# KiCad board V1.1_version_control_final.kicad_pcb (continued)
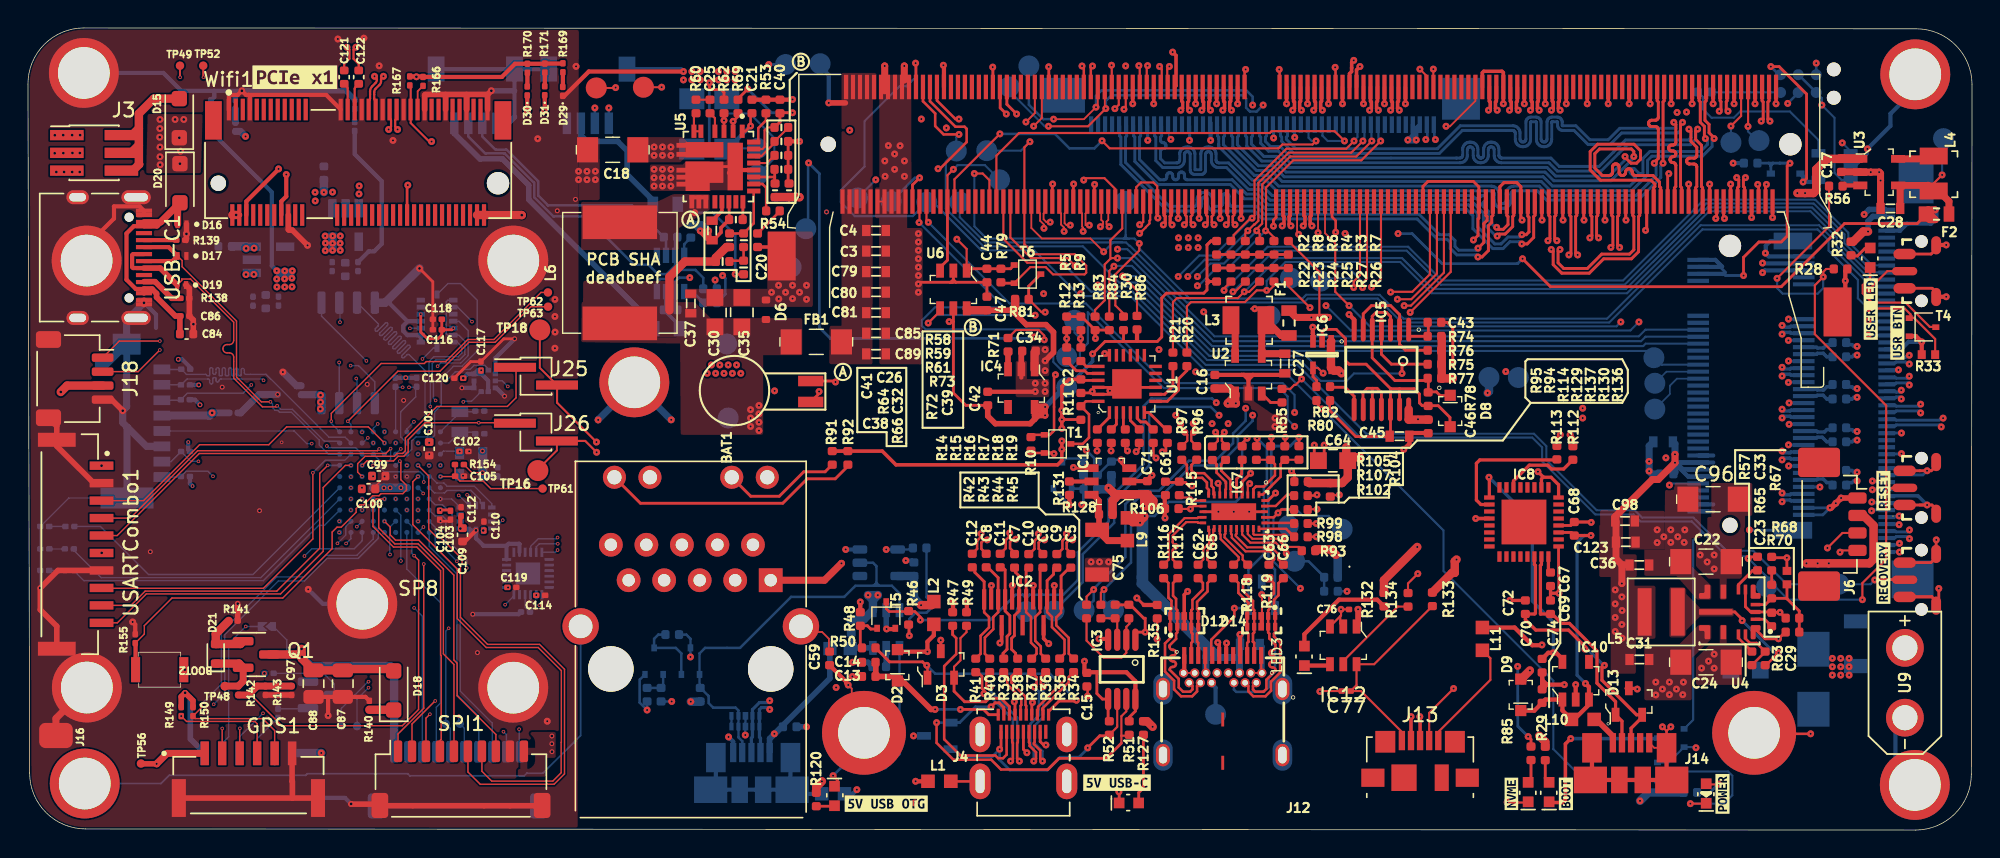
[diagram p0: board, top side]
## Routing (per net, layer and track width the routed paths; a pad name or vN(x,y) marks a point on that pad's centre or on a via; arc(x,y) is an arc through that point) (continued)
  Bottom w0.21: 132.77,29.92 133.5,29.92 133.59,30 135.19,30 v1(135.34,29.86)
/CSI/CSI_B_D0_P: length 43.4
  Top w0.21: v1(123.93,50.74) 124.08,50.88 124.08,52.11 124,52.2 M1.5
  In3_SIGNAL.Cu w0.138: v1(123.93,50.74) 124.12,50.92 124.12,51.31 124.32,51.51 126.48,51.51 127.82,50.17 127.82,45.13 128.12,44.82 132.72,44.82 134.33,43.21 134.33,41.38 134.34,41.34 134.35,41.31 134.37,41.27 134.39,41.25 134.43,41.23 134.46,41.21 134.5,41.21 135.41,41.21 135.5,41.2 135.58,41.17 135.66,41.12 135.72,41.06 135.77,40.98 135.8,40.89 135.81,40.8 135.81,40.75 135.8,40.66 135.77,40.58 135.72,40.5 135.66,40.44 135.58,40.39 135.5,40.36 135.41,40.35 134.5,40.35 134.46,40.34 134.43,40.33 134.39,40.31 134.37,40.28 134.35,40.25 134.34,40.22 134.33,40.18 134.34,40.14 134.35,40.11 134.37,40.07 134.39,40.05 134.43,40.03 134.46,40.01 134.5,40.01 135.41,40.01 135.5,40 135.58,39.97 135.66,39.92 135.72,39.86 135.77,39.78 135.8,39.69 135.81,39.6 135.81,39.55 135.8,39.46 135.77,39.38 135.72,39.3 135.66,39.24 135.58,39.19 135.5,39.16 135.41,39.15 134.5,39.15 134.46,39.14 134.43,39.13 134.39,39.11 134.37,39.08 134.35,39.05 134.34,39.02 134.33,38.98 134.33,36.95 134.34,36.91 134.35,36.88 134.37,36.85 134.39,36.82 134.43,36.8 134.46,36.79 134.5,36.78 135.1,36.78 135.19,36.77 135.28,36.74 135.36,36.69 135.42,36.63 135.47,36.55 135.5,36.47 135.51,36.38 135.51,36.33 135.5,36.24 135.47,36.15 135.42,36.07 135.36,36.01 135.28,35.96 135.19,35.93 135.1,35.92 134.5,35.92 134.46,35.92 134.43,35.9 134.39,35.88 134.37,35.86 134.35,35.82 134.34,35.79 134.33,35.75 134.33,35.08 134.72,34.69 134.81,34.69 135.4,34.1 135.4,31.53 134.82,30.95 134.82,30.51 135.03,30.3 135.15,30.3 v1(135.34,30.48)
  Bottom w0.21: 132.77,30.42 133.5,30.42 133.59,30.34 135.19,30.34 v1(135.34,30.48)
/CSI/CSI_B_D1_N: length 43.3
  Top w0.21: v1(121.56,51.45) 121.44,51.58 121.44,52.14 121.5,52.2 M1.15
  In3_SIGNAL.Cu w0.138: v1(121.56,51.45) 121.38,51.63 121.38,52.52 121.63,52.77 126.13,52.77 128.78,50.12 128.78,45.71 129.25,45.24 133.45,45.24 136.2,42.49 136.2,31.76 136.2,31.73 136.19,31.7 136.17,31.67 136.15,31.65 136.12,31.63 136.09,31.62 136.05,31.61 135.95,31.61 135.92,31.61 135.89,31.6 135.86,31.58 135.84,31.56 135.82,31.53 135.81,31.5 135.8,31.46 135.81,31.43 135.82,31.4 135.84,31.37 135.86,31.35 135.89,31.33 135.92,31.32 135.95,31.31 136.05,31.31 136.09,31.31 136.12,31.3 136.15,31.28 136.17,31.26 136.19,31.23 136.2,31.2 136.2,31.16 136.2,29.46 v1(136.81,28.86)
  Bottom w0.21: 132.77,28.92 133.5,28.92 133.59,29 136.66,29 v1(136.81,28.86)
/CSI/CSI_B_D1_P: length 43.3
  Top w0.21: v1(120.93,51.45) 121.06,51.58 121.06,52.14 121,52.2 M1.17
  In3_SIGNAL.Cu w0.138: v1(136.94,29.48) 136.55,29.48 136.47,29.57 136.47,42.6 133.56,45.5 129.36,45.5 129.04,45.82 129.04,50.23 126.23,53.04 121.52,53.04 121.12,52.63 121.12,51.63 v1(120.93,51.45)
  Bottom w0.21: 132.77,29.42 133.5,29.42 133.59,29.34 136.66,29.34 136.88,29.55 v1(136.94,29.48)
/CSI/CSI_C_CLK_N: length 55.7
  Top w0.21: v1(112.31,42.38) 112.16,42.53 112.16,43.91 112.25,43.99 M1.52
  In5_3V3_SYS_SIGNAL.Cu w0.128: v1(112.31,42.38) 112.12,42.57 112.12,42.77 112.19,42.84 114.39,42.84 115.44,41.79 115.44,38.05 118.41,35.08 118.41,34.36 118.41,34.33 118.4,34.3 118.38,34.28 118.36,34.26 118.34,34.24 118.31,34.23 118.28,34.23 118.02,34.23 117.94,34.22 117.87,34.19 117.8,34.15 117.74,34.09 117.7,34.03 117.67,33.95 117.67,33.87 117.67,33.83 117.67,33.75 117.7,33.67 117.74,33.6 117.8,33.54 117.87,33.5 117.94,33.48 118.02,33.47 119.03,33.47 119.06,33.46 119.08,33.45 119.11,33.44 119.13,33.42 119.14,33.39 119.15,33.37 119.16,33.34 119.15,33.31 119.14,33.28 119.13,33.26 119.11,33.24 119.08,33.22 119.06,33.21 119.03,33.21 118.02,33.21 117.94,33.2 117.87,33.17 117.8,33.13 117.74,33.08 117.7,33.01 117.67,32.93 117.67,32.85 117.67,32.81 117.67,32.73 117.7,32.65 117.74,32.58 117.8,32.53 117.87,32.48 117.94,32.46 118.02,32.45 119.03,32.45 119.06,32.45 119.08,32.44 119.11,32.42 119.13,32.4 119.14,32.38 119.15,32.35 119.16,32.32 119.15,32.29 119.14,32.26 119.13,32.24 119.11,32.22 119.08,32.2 119.06,32.2 119.03,32.19 118.02,32.19 117.94,32.18 117.87,32.16 117.8,32.11 117.74,32.06 117.7,31.99 117.67,31.91 117.67,31.83 117.67,31.79 117.67,31.71 117.7,31.63 117.74,31.57 117.8,31.51 117.87,31.47 117.94,31.44 118.02,31.43 119.03,31.43 119.06,31.43 119.08,31.42 119.11,31.4 119.13,31.38 119.14,31.36 119.15,31.33 119.16,31.3 119.15,31.27 119.14,31.25 119.13,31.22 119.11,31.2 119.08,31.19 119.06,31.18 119.03,31.17 118.02,31.17 117.94,31.17 117.87,31.14 117.8,31.1 117.74,31.04 117.7,30.97 117.67,30.9 117.67,30.82 117.67,30.77 117.67,30.69 117.7,30.62 117.74,30.55 117.8,30.49 117.87,30.45 117.94,30.42 118.02,30.41 119.03,30.41 119.06,30.41 119.08,30.4 119.11,30.38 119.13,30.36 119.14,30.34 119.15,30.31 119.16,30.28 119.15,30.26 119.14,30.23 119.13,30.2 119.11,30.18 119.08,30.17 119.06,30.16 119.03,30.16 118.02,30.16 117.94,30.15 117.87,30.12 117.8,30.08 117.74,30.02 117.7,29.95 117.67,29.88 117.67,29.8 117.67,29.75 117.67,29.67 117.7,29.6 117.74,29.53 117.8,29.47 117.87,29.43 117.94,29.4 118.02,29.39 119.03,29.39 119.06,29.39 119.08,29.38 119.11,29.37 119.13,29.35 119.14,29.32 119.15,29.29 119.16,29.27 119.15,29.24 119.14,29.21 119.13,29.19 119.11,29.17 119.08,29.15 119.06,29.14 119.03,29.14 118.02,29.14 117.94,29.13 117.87,29.1 117.8,29.06 117.74,29 117.7,28.94 117.67,28.86 117.67,28.78 117.67,28.74 117.67,28.66 117.7,28.58 117.74,28.51 117.8,28.45 117.87,28.41 117.94,28.39 118.02,28.38 119.03,28.38 119.06,28.37 119.08,28.36 119.11,28.35 119.13,28.33 119.14,28.3 119.15,28.28 119.16,28.25 119.15,28.22 119.14,28.19 119.13,28.17 119.11,28.15 119.08,28.13 119.06,28.12 119.03,28.12 118.77,28.12 118.69,28.11 118.61,28.08 118.55,28.04 118.49,27.99 118.45,27.92 118.42,27.84 118.41,27.76 118.41,26.66 119.59,25.48 122.29,25.48 125.02,22.75 127.84,22.75 129.38,24.3 130.1,24.3 130.13,24.29 130.16,24.28 130.19,24.26 130.21,24.24 130.23,24.21 130.24,24.18 130.25,24.15 130.25,24.11 130.25,24.07 130.26,24.04 130.28,24.01 130.3,23.99 130.33,23.97 130.36,23.96 130.4,23.96 130.43,23.96 130.46,23.97 130.49,23.99 130.51,24.01 130.53,24.04 130.54,24.07 130.55,24.11 130.55,24.15 130.55,24.18 130.56,24.21 130.58,24.24 130.6,24.26 130.63,24.28 130.66,24.29 130.7,24.3 131.26,24.3 131.51,24.54 131.7,24.54 v1(131.88,24.36)
  Bottom w0.21: v1(131.88,24.36) 131.95,24.42 132.77,24.42
/CSI/CSI_C_CLK_P: length 55.7
  Top w0.21: v1(111.68,42.38) 111.83,42.53 111.83,43.91 111.75,43.99 111.75,44.98
  In5_3V3_SYS_SIGNAL.Cu w0.128: v1(131.88,24.98) 131.7,24.8 131.41,24.8 131.16,24.55 129.28,24.55 127.73,23.01 125.12,23.01 122.4,25.73 119.7,25.73 118.66,26.76 118.66,27.74 118.67,27.77 118.68,27.79 118.69,27.82 118.71,27.84 118.74,27.85 118.76,27.86 118.79,27.87 119.05,27.87 119.13,27.88 119.21,27.9 119.27,27.95 119.33,28 119.37,28.07 119.4,28.15 119.41,28.23 119.41,28.27 119.4,28.35 119.37,28.43 119.33,28.49 119.27,28.55 119.21,28.59 119.13,28.62 119.05,28.63 118.05,28.63 118.02,28.63 117.99,28.64 117.97,28.66 117.95,28.68 117.93,28.7 117.92,28.73 117.92,28.76 117.92,28.79 117.93,28.81 117.95,28.84 117.97,28.86 117.99,28.87 118.02,28.88 118.05,28.89 119.05,28.89 119.13,28.89 119.21,28.92 119.27,28.96 119.33,29.02 119.37,29.09 119.4,29.16 119.41,29.24 119.41,29.29 119.4,29.37 119.37,29.44 119.33,29.51 119.27,29.57 119.21,29.61 119.13,29.64 119.05,29.65 118.05,29.65 118.02,29.65 117.99,29.66 117.97,29.68 117.95,29.7 117.93,29.72 117.92,29.75 117.92,29.78 117.92,29.8 117.93,29.83 117.95,29.86 117.97,29.88 117.99,29.89 118.02,29.9 118.05,29.9 119.05,29.9 119.13,29.91 119.21,29.94 119.27,29.98 119.33,30.04 119.37,30.11 119.4,30.18 119.41,30.26 119.41,30.31 119.4,30.39 119.37,30.46 119.33,30.53 119.27,30.59 119.21,30.63 119.13,30.66 119.05,30.67 118.05,30.67 118.02,30.67 117.99,30.68 117.97,30.69 117.95,30.71 117.93,30.74 117.92,30.76 117.92,30.79 117.92,30.82 117.93,30.85 117.95,30.87 117.97,30.89 117.99,30.91 118.02,30.92 118.05,30.92 119.05,30.92 119.13,30.93 119.21,30.96 119.27,31 119.33,31.06 119.37,31.12 119.4,31.2 119.41,31.28 119.41,31.32 119.4,31.4 119.37,31.48 119.33,31.55 119.27,31.6 119.21,31.65 119.13,31.67 119.05,31.68 118.05,31.68 118.02,31.69 117.99,31.7 117.97,31.71 117.95,31.73 117.93,31.76 117.92,31.78 117.92,31.81 117.92,31.84 117.93,31.87 117.95,31.89 117.97,31.91 117.99,31.93 118.02,31.94 118.05,31.94 119.05,31.94 119.13,31.95 119.21,31.97 119.27,32.02 119.33,32.07 119.37,32.14 119.4,32.22 119.41,32.3 119.41,32.34 119.4,32.42 119.37,32.5 119.33,32.57 119.27,32.62 119.21,32.67 119.13,32.69 119.05,32.7 118.05,32.7 118.02,32.7 117.99,32.71 117.97,32.73 117.95,32.75 117.93,32.77 117.92,32.8 117.92,32.83 117.92,32.86 117.93,32.88 117.95,32.91 117.97,32.93 117.99,32.94 118.02,32.95 118.05,32.96 119.05,32.96 119.13,32.97 119.21,32.99 119.27,33.04 119.33,33.09 119.37,33.16 119.4,33.24 119.41,33.32 119.41,33.36 119.4,33.44 119.37,33.52 119.33,33.58 119.27,33.64 119.21,33.68 119.13,33.71 119.05,33.72 118.05,33.72 118.02,33.72 117.99,33.73 117.97,33.75 117.95,33.77 117.93,33.79 117.92,33.82 117.92,33.85 117.92,33.88 117.93,33.9 117.95,33.93 117.97,33.95 117.99,33.96 118.02,33.97 118.05,33.98 118.3,33.98 118.38,33.98 118.46,34.01 118.53,34.05 118.59,34.11 118.63,34.18 118.65,34.25 118.66,34.33 118.66,35.19 115.7,38.16 115.7,41.89 114.49,43.09 112.09,43.09 111.87,42.88 111.87,42.57 v1(111.68,42.38)
  Bottom w0.21: 132.77,24.92 131.95,24.92 v1(131.88,24.98)
/CSI/CSI_C_D0_N: length 55.7
  Top w0.21: v1(113.81,41.7) 113.66,41.85 113.66,43.91 113.75,43.99 M1.46
  In5_3V3_SYS_SIGNAL.Cu w0.128: 131.81,22.86 131.63,23.04 131,23.04 130.97,23.04 130.94,23.03 130.91,23.01 130.89,22.99 130.87,22.96 130.86,22.93 130.85,22.89 130.85,22.85 130.85,22.82 130.84,22.79 130.82,22.76 130.8,22.74 130.77,22.72 130.74,22.71 130.7,22.7 130.67,22.71 130.64,22.72 130.61,22.74 130.59,22.76 130.57,22.79 130.56,22.82 130.55,22.85 130.55,22.89 130.55,22.93 130.54,22.96 130.52,22.99 130.5,23.01 130.47,23.03 130.44,23.04 130.4,23.04 130.07,23.04 129.28,22.25 124.79,22.25 122.38,24.66 118.11,24.66 116.43,26.34 116.43,27.27 116.44,27.35 116.46,27.43 116.51,27.5 116.56,27.55 116.63,27.6 116.71,27.62 116.79,27.63 117.36,27.63 117.39,27.63 117.42,27.64 117.44,27.66 117.46,27.68 117.48,27.7 117.49,27.73 117.49,27.76 117.49,27.79 117.48,27.82 117.46,27.84 117.44,27.86 117.42,27.88 117.39,27.88 117.36,27.89 115.73,27.89 115.65,27.9 115.57,27.92 115.5,27.97 115.45,28.02 115.4,28.09 115.38,28.17 115.37,28.25 115.37,28.29 115.38,28.37 115.4,28.45 115.45,28.51 115.5,28.57 115.57,28.61 115.65,28.64 115.73,28.65 116.96,28.65 116.99,28.65 117.02,28.66 117.04,28.68 117.06,28.7 117.08,28.72 117.09,28.75 117.09,28.78 117.09,28.81 117.08,28.83 117.06,28.86 117.04,28.88 117.02,28.89 116.99,28.9 116.96,28.91 115.73,28.91 115.65,28.91 115.57,28.94 115.5,28.98 115.45,29.04 115.4,29.11 115.38,29.18 115.37,29.26 115.37,29.31 115.38,29.39 115.4,29.46 115.45,29.53 115.5,29.59 115.57,29.63 115.65,29.66 115.73,29.67 116.96,29.67 116.99,29.67 117.02,29.68 117.04,29.7 117.06,29.72 117.08,29.74 117.09,29.77 117.09,29.8 117.09,29.82 117.08,29.85 117.06,29.88 117.04,29.9 117.02,29.91 116.99,29.92 116.96,29.92 115.73,29.92 115.65,29.93 115.57,29.96 115.5,30 115.45,30.06 115.4,30.13 115.38,30.2 115.37,30.28 115.37,30.33 115.38,30.41 115.4,30.48 115.45,30.55 115.5,30.61 115.57,30.65 115.65,30.68 115.73,30.69 116.96,30.69 116.99,30.69 117.02,30.7 117.04,30.71 117.06,30.73 117.08,30.76 117.09,30.79 117.09,30.81 117.09,30.84 117.08,30.87 117.06,30.89 117.04,30.91 117.02,30.93 116.99,30.94 116.96,30.94 115.73,30.94 115.65,30.95 115.57,30.98 115.5,31.02 115.45,31.08 115.4,31.14 115.38,31.22 115.37,31.3 115.37,31.34 115.38,31.42 115.4,31.5 115.45,31.57 115.5,31.63 115.57,31.67 115.65,31.69 115.73,31.7 116.96,31.7 116.99,31.71 117.02,31.72 117.04,31.73 117.06,31.75 117.08,31.78 117.09,31.8 117.09,31.83 117.09,31.86 117.08,31.89 117.06,31.91 117.04,31.93 117.02,31.95 116.99,31.96 116.96,31.96 115.73,31.96 115.65,31.97 115.57,32 115.5,32.04 115.45,32.09 115.4,32.16 115.38,32.24 115.37,32.32 115.37,32.36 115.38,32.44 115.4,32.52 115.45,32.59 115.5,32.64 115.57,32.69 115.65,32.71 115.73,32.72 116.3,32.72 116.33,32.72 116.36,32.73 116.38,32.75 116.4,32.77 116.42,32.79 116.43,32.82 116.43,32.85 116.43,35.98 114.74,37.66 114.74,41.56 114.16,42.14 113.7,42.14 113.62,42.06 113.62,41.89 v1(113.81,41.7)
  Bottom w0.21: 131.84,22.86 131.91,22.92 132.77,22.92
  vias: v1(131.83,22.85)
/CSI/CSI_C_D0_P: length 55.7
  Top w0.21: v1(113.18,41.7) 113.33,41.85 113.33,43.91 113.25,43.99 113.25,44.98
  In5_3V3_SYS_SIGNAL.Cu w0.128: v1(113.18,41.7) 113.37,41.89 113.37,42.17 113.6,42.39 114.26,42.39 115,41.66 115,37.76 116.68,36.08 116.68,32.83 116.67,32.75 116.65,32.67 116.6,32.6 116.55,32.55 116.48,32.5 116.4,32.48 116.32,32.47 115.75,32.47 115.72,32.47 115.69,32.46 115.67,32.44 115.65,32.42 115.63,32.4 115.62,32.37 115.62,32.34 115.62,32.31 115.63,32.29 115.65,32.26 115.67,32.24 115.69,32.23 115.72,32.22 115.75,32.21 116.98,32.21 117.06,32.2 117.14,32.18 117.21,32.13 117.26,32.08 117.31,32.01 117.33,31.93 117.34,31.85 117.34,31.81 117.33,31.73 117.31,31.65 117.26,31.59 117.21,31.53 117.14,31.49 117.06,31.46 116.98,31.45 115.75,31.45 115.72,31.45 115.69,31.44 115.67,31.42 115.65,31.4 115.63,31.38 115.62,31.35 115.62,31.32 115.62,31.29 115.63,31.27 115.65,31.24 115.67,31.22 115.69,31.21 115.72,31.2 115.75,31.19 116.98,31.19 117.06,31.19 117.14,31.16 117.21,31.12 117.26,31.06 117.31,30.99 117.33,30.92 117.34,30.84 117.34,30.79 117.33,30.71 117.31,30.64 117.26,30.57 117.21,30.51 117.14,30.47 117.06,30.44 116.98,30.43 115.75,30.43 115.72,30.43 115.69,30.42 115.67,30.4 115.65,30.38 115.63,30.36 115.62,30.33 115.62,30.3 115.62,30.28 115.63,30.25 115.65,30.22 115.67,30.2 115.69,30.19 115.72,30.18 115.75,30.18 116.98,30.18 117.06,30.17 117.14,30.14 117.21,30.1 117.26,30.04 117.31,29.97 117.33,29.9 117.34,29.82 117.34,29.77 117.33,29.69 117.31,29.62 117.26,29.55 117.21,29.49 117.14,29.45 117.06,29.42 116.98,29.41 115.75,29.41 115.72,29.41 115.69,29.4 115.67,29.39 115.65,29.37 115.63,29.34 115.62,29.32 115.62,29.29 115.62,29.26 115.63,29.23 115.65,29.21 115.67,29.19 115.69,29.17 115.72,29.16 115.75,29.16 116.98,29.16 117.06,29.15 117.14,29.12 117.21,29.08 117.26,29.02 117.31,28.96 117.33,28.88 117.34,28.8 117.34,28.76 117.33,28.68 117.31,28.6 117.26,28.53 117.21,28.48 117.14,28.43 117.06,28.41 116.98,28.4 115.75,28.4 115.72,28.39 115.69,28.38 115.67,28.37 115.65,28.35 115.63,28.32 115.62,28.3 115.62,28.27 115.62,28.24 115.63,28.21 115.65,28.19 115.67,28.17 115.69,28.15 115.72,28.14 115.75,28.14 117.38,28.14 117.46,28.13 117.54,28.11 117.61,28.06 117.66,28.01 117.71,27.94 117.73,27.86 117.74,27.78 117.74,27.74 117.73,27.66 117.71,27.58 117.66,27.51 117.61,27.46 117.54,27.41 117.46,27.39 117.38,27.38 116.81,27.38 116.78,27.38 116.75,27.37 116.73,27.35 116.71,27.33 116.69,27.31 116.68,27.28 116.68,27.25 116.68,26.45 118.22,24.91 122.48,24.91 124.9,22.5 129.17,22.5 129.97,23.3 131.66,23.3 v1(131.84,23.48)
  Bottom w0.21: 132.77,23.42 131.91,23.42 v1(131.84,23.48)
/CSI/CSI_C_D1_N: length 55.7
  Top w0.21: 110.81,41.13 110.66,41.28 110.66,43.91 110.75,43.99 110.75,44.98
  In5_3V3_SYS_SIGNAL.Cu w0.128: 110.81,41.13 110.62,41.32 110.62,41.39 110.81,41.58 112.02,41.58 113.99,39.6 113.99,37.39 114.36,37.01 114.36,35.78 114.36,35.75 114.35,35.72 114.33,35.69 114.31,35.67 114.28,35.65 114.25,35.64 114.21,35.63 113.93,35.63 113.85,35.62 113.77,35.6 113.69,35.55 113.63,35.49 113.59,35.42 113.56,35.34 113.55,35.26 113.55,35.21 113.56,35.13 113.59,35.05 113.63,34.97 113.69,34.91 113.77,34.87 113.85,34.84 113.93,34.83 114.21,34.83 114.25,34.83 114.28,34.82 114.31,34.8 114.33,34.78 114.35,34.75 114.36,34.72 114.36,34.68 114.36,34.65 114.35,34.62 114.33,34.59 114.31,34.57 114.28,34.55 114.25,34.54 114.21,34.53 113.93,34.53 113.85,34.52 113.77,34.5 113.69,34.45 113.63,34.39 113.59,34.32 113.56,34.24 113.55,34.16 113.55,34.11 113.56,34.03 113.59,33.95 113.63,33.87 113.69,33.81 113.77,33.77 113.85,33.74 113.93,33.73 114.21,33.73 114.25,33.73 114.28,33.72 114.31,33.7 114.33,33.68 114.35,33.65 114.36,33.62 114.36,33.58 114.36,33.55 114.35,33.52 114.33,33.49 114.31,33.47 114.28,33.45 114.25,33.44 114.21,33.43 113.93,33.43 113.85,33.42 113.77,33.4 113.69,33.35 113.63,33.29 113.59,33.22 113.56,33.14 113.55,33.06 113.55,33.01 113.56,32.93 113.59,32.85 113.63,32.77 113.69,32.71 113.77,32.67 113.85,32.64 113.93,32.63 114.21,32.63 114.25,32.63 114.28,32.62 114.31,32.6 114.33,32.58 114.35,32.55 114.36,32.52 114.36,32.48 114.36,32.45 114.35,32.42 114.33,32.39 114.31,32.37 114.28,32.35 114.25,32.34 114.21,32.33 113.93,32.33 113.85,32.32 113.77,32.3 113.69,32.25 113.63,32.19 113.59,32.12 113.56,32.04 113.55,31.96 113.55,31.91 113.56,31.83 113.59,31.75 113.63,31.67 113.69,31.61 113.77,31.57 113.85,31.54 113.93,31.53 114.21,31.53 114.25,31.53 114.28,31.52 114.31,31.5 114.33,31.48 114.35,31.45 114.36,31.42 114.36,31.38 114.36,31.35 114.35,31.32 114.33,31.29 114.31,31.27 114.28,31.25 114.25,31.24 114.21,31.23 113.93,31.23 113.85,31.22 113.77,31.2 113.69,31.15 113.63,31.09 113.59,31.02 113.56,30.94 113.55,30.86 113.55,30.81 113.56,30.73 113.59,30.65 113.63,30.57 113.69,30.51 113.77,30.47 113.85,30.44 113.93,30.43 114.21,30.43 114.25,30.43 114.28,30.42 114.31,30.4 114.33,30.38 114.35,30.35 114.36,30.32 114.36,30.28 114.36,30.25 114.35,30.22 114.33,30.19 114.31,30.17 114.28,30.15 114.25,30.14 114.21,30.13 113.93,30.13 113.85,30.12 113.77,30.1 113.69,30.05 113.63,29.99 113.59,29.92 113.56,29.84 113.55,29.76 113.55,29.71 113.56,29.63 113.59,29.55 113.63,29.47 113.69,29.41 113.77,29.37 113.85,29.34 113.93,29.33 114.21,29.33 114.25,29.33 114.28,29.32 114.31,29.3 114.33,29.28 114.35,29.25 114.36,29.22 114.36,29.18 114.36,29.15 114.35,29.12 114.33,29.09 114.31,29.07 114.28,29.05 114.25,29.04 114.21,29.03 113.93,29.03 113.85,29.02 113.77,29 113.69,28.95 113.63,28.89 113.59,28.82 113.56,28.74 113.55,28.66 113.55,28.61 113.56,28.53 113.59,28.45 113.63,28.37 113.69,28.31 113.77,28.27 113.85,28.24 113.93,28.23 114.21,28.23 114.25,28.23 114.28,28.22 114.31,28.2 114.33,28.18 114.35,28.15 114.36,28.12 114.36,28.08 114.36,28.05 114.35,28.02 114.33,27.99 114.31,27.97 114.28,27.95 114.25,27.94 114.21,27.93 113.93,27.93 113.85,27.92 113.77,27.9 113.69,27.85 113.63,27.79 113.59,27.72 113.56,27.64 113.55,27.56 113.55,27.51 113.56,27.43 113.59,27.35 113.63,27.27 113.69,27.21 113.77,27.17 113.85,27.14 113.93,27.13 114.21,27.13 114.25,27.13 114.28,27.12 114.31,27.1 114.33,27.08 114.35,27.05 114.36,27.02 114.36,26.98 114.36,26.95 114.35,26.92 114.33,26.89 114.31,26.87 114.28,26.85 114.25,26.84 114.21,26.83 113.93,26.83 113.85,26.82 113.77,26.8 113.69,26.75 113.63,26.69 113.59,26.62 113.56,26.54 113.55,26.46 113.55,26.41 113.56,26.33 113.59,26.25 113.63,26.17 113.69,26.11 113.77,26.07 113.85,26.04 113.93,26.03 114.21,26.03 114.25,26.03 114.28,26.02 114.31,26 114.33,25.98 114.35,25.95 114.36,25.92 114.36,25.88 114.36,25.78 116.24,23.9 122.34,23.9 124.5,21.74 129.83,21.74 130.13,22.04 132.6,22.04 132.64,22.04 132.67,22.03 132.7,22.01 132.72,21.99 132.74,21.96 132.75,21.93 132.75,21.89 132.75,21.86 132.76,21.82 132.77,21.79 132.79,21.76 132.81,21.74 132.84,21.72 132.87,21.71 132.9,21.71 132.94,21.71 132.97,21.72 133,21.74 133.02,21.76 133.04,21.79 133.05,21.82 133.05,21.86 133.05,21.89 133.06,21.93 133.07,21.96 133.09,21.99 133.11,22.01 133.14,22.03 133.17,22.04 133.2,22.04 133.57,22.04 133.76,21.86
  Bottom w0.21: 133.76,21.86 133.7,21.92 132.77,21.92
  vias: v1(110.81,41.16) v1(133.79,21.86)
/CSI/CSI_C_D1_P: length 55.7
  Top w0.21: 110.18,41.13 110.33,41.28 110.33,43.91 110.25,43.99 110.25,44.98
  In5_3V3_SYS_SIGNAL.Cu w0.128: 110.18,41.13 110.37,41.32 110.37,41.49 110.71,41.83 112.12,41.83 114.24,39.71 114.24,37.49 114.61,37.12 114.61,35.76 114.6,35.68 114.58,35.6 114.53,35.52 114.47,35.46 114.4,35.42 114.32,35.39 114.24,35.38 113.95,35.38 113.92,35.38 113.89,35.37 113.86,35.35 113.84,35.33 113.82,35.3 113.81,35.27 113.8,35.23 113.81,35.2 113.82,35.17 113.84,35.14 113.86,35.12 113.89,35.1 113.92,35.09 113.95,35.08 114.24,35.08 114.32,35.07 114.4,35.05 114.47,35 114.53,34.94 114.58,34.87 114.6,34.79 114.61,34.71 114.61,34.66 114.6,34.58 114.58,34.5 114.53,34.42 114.47,34.36 114.4,34.32 114.32,34.29 114.24,34.28 113.95,34.28 113.92,34.28 113.89,34.27 113.86,34.25 113.84,34.23 113.82,34.2 113.81,34.17 113.8,34.13 113.81,34.1 113.82,34.07 113.84,34.04 113.86,34.02 113.89,34 113.92,33.99 113.95,33.98 114.24,33.98 114.32,33.97 114.4,33.95 114.47,33.9 114.53,33.84 114.58,33.77 114.6,33.69 114.61,33.61 114.61,33.56 114.6,33.48 114.58,33.4 114.53,33.32 114.47,33.26 114.4,33.22 114.32,33.19 114.24,33.18 113.95,33.18 113.92,33.18 113.89,33.17 113.86,33.15 113.84,33.13 113.82,33.1 113.81,33.07 113.8,33.03 113.81,33 113.82,32.97 113.84,32.94 113.86,32.92 113.89,32.9 113.92,32.89 113.95,32.88 114.24,32.88 114.32,32.87 114.4,32.85 114.47,32.8 114.53,32.74 114.58,32.67 114.6,32.59 114.61,32.51 114.61,32.46 114.6,32.38 114.58,32.3 114.53,32.22 114.47,32.16 114.4,32.12 114.32,32.09 114.24,32.08 113.95,32.08 113.92,32.08 113.89,32.07 113.86,32.05 113.84,32.03 113.82,32 113.81,31.97 113.8,31.93 113.81,31.9 113.82,31.87 113.84,31.84 113.86,31.82 113.89,31.8 113.92,31.79 113.95,31.78 114.24,31.78 114.32,31.77 114.4,31.75 114.47,31.7 114.53,31.64 114.58,31.57 114.6,31.49 114.61,31.41 114.61,31.36 114.6,31.28 114.58,31.2 114.53,31.12 114.47,31.06 114.4,31.02 114.32,30.99 114.24,30.98 113.95,30.98 113.92,30.98 113.89,30.97 113.86,30.95 113.84,30.93 113.82,30.9 113.81,30.87 113.8,30.83 113.81,30.8 113.82,30.77 113.84,30.74 113.86,30.72 113.89,30.7 113.92,30.69 113.95,30.68 114.24,30.68 114.32,30.67 114.4,30.65 114.47,30.6 114.53,30.54 114.58,30.47 114.6,30.39 114.61,30.31 114.61,30.26 114.6,30.18 114.58,30.1 114.53,30.02 114.47,29.96 114.4,29.92 114.32,29.89 114.24,29.88 113.95,29.88 113.92,29.88 113.89,29.87 113.86,29.85 113.84,29.83 113.82,29.8 113.81,29.77 113.8,29.73 113.81,29.7 113.82,29.67 113.84,29.64 113.86,29.62 113.89,29.6 113.92,29.59 113.95,29.58 114.24,29.58 114.32,29.57 114.4,29.55 114.47,29.5 114.53,29.44 114.58,29.37 114.6,29.29 114.61,29.21 114.61,29.16 114.6,29.08 114.58,29 114.53,28.92 114.47,28.86 114.4,28.82 114.32,28.79 114.24,28.78 113.95,28.78 113.92,28.78 113.89,28.77 113.86,28.75 113.84,28.73 113.82,28.7 113.81,28.67 113.8,28.63 113.81,28.6 113.82,28.57 113.84,28.54 113.86,28.52 113.89,28.5 113.92,28.49 113.95,28.48 114.24,28.48 114.32,28.47 114.4,28.45 114.47,28.4 114.53,28.34 114.58,28.27 114.6,28.19 114.61,28.11 114.61,28.06 114.6,27.98 114.58,27.9 114.53,27.82 114.47,27.76 114.4,27.72 114.32,27.69 114.24,27.68 113.95,27.68 113.92,27.68 113.89,27.67 113.86,27.65 113.84,27.63 113.82,27.6 113.81,27.57 113.8,27.53 113.81,27.5 113.82,27.47 113.84,27.44 113.86,27.42 113.89,27.4 113.92,27.39 113.95,27.38 114.24,27.38 114.32,27.37 114.4,27.35 114.47,27.3 114.53,27.24 114.58,27.17 114.6,27.09 114.61,27.01 114.61,26.96 114.6,26.88 114.58,26.8 114.53,26.72 114.47,26.66 114.4,26.62 114.32,26.59 114.24,26.58 113.95,26.58 113.92,26.58 113.89,26.57 113.86,26.55 113.84,26.53 113.82,26.5 113.81,26.47 113.8,26.43 113.81,26.4 113.82,26.37 113.84,26.34 113.86,26.32 113.89,26.3 113.92,26.29 113.95,26.28 114.24,26.28 114.32,26.27 114.4,26.25 114.47,26.2 114.53,26.14 114.58,26.07 114.6,25.99 114.61,25.91 114.61,25.88 116.34,24.15 122.44,24.15 124.6,21.99 129.72,21.99 130.02,22.3 133.57,22.3 133.76,22.48
  Bottom w0.21: 132.77,22.42 133.7,22.42 133.76,22.48
  vias: v1(110.18,41.16) v1(133.79,22.48)
/CSI/CSI_D_D0_N: length 55.7
  Top w0.21: v1(108.92,41.55) 109.06,41.42 109.06,40.47 109.67,39.86 111.64,39.86 112.67,40.89 114.66,40.89 115.16,41.39 115.16,43.91 115.25,43.99 115.25,44.98
  In5_3V3_SYS_SIGNAL.Cu w0.128: v1(108.92,41.55) 109.1,41.38 109.1,40.3 109.69,39.71 111.53,39.71 113,38.24 113,25.81 115.61,23.2 122.24,23.2 124.2,21.24 132.45,21.24 132.64,21.04 134.35,21.04 v1(134.54,20.86)
  Bottom w0.21: 132.77,20.92 133.5,20.92 133.59,21 134.39,21 v1(134.54,20.86)
/CSI/CSI_D_D0_P: length 55.6
  Top w0.21: v1(109.55,41.55) 109.41,41.42 109.41,40.6 109.81,40.19 111.5,40.19 112.53,41.22 114.52,41.22 114.83,41.53 114.83,43.91 114.75,43.99 114.75,44.98
  In5_3V3_SYS_SIGNAL.Cu w0.128: v1(134.54,21.48) 134.35,21.3 132.75,21.3 132.55,21.49 132.42,21.49 132.38,21.49 132.35,21.5 132.32,21.52 132.3,21.54 132.28,21.57 132.27,21.6 132.26,21.67 132.25,21.7 132.24,21.73 132.21,21.76 132.18,21.77 132.15,21.78 132.12,21.79 132.08,21.78 132.05,21.77 132.02,21.76 132,21.73 131.98,21.7 131.97,21.67 131.96,21.6 131.95,21.57 131.94,21.54 131.91,21.52 131.88,21.5 131.85,21.49 131.82,21.49 131.78,21.49 131.75,21.5 131.72,21.52 131.7,21.54 131.68,21.57 131.67,21.6 131.66,21.67 131.65,21.7 131.64,21.73 131.61,21.76 131.58,21.77 131.55,21.78 131.52,21.79 131.48,21.78 131.45,21.77 131.42,21.76 131.4,21.73 131.38,21.7 131.37,21.67 131.36,21.6 131.35,21.57 131.34,21.54 131.31,21.52 131.28,21.5 131.25,21.49 131.22,21.49 131.18,21.49 131.15,21.5 131.12,21.52 131.1,21.54 131.08,21.57 131.07,21.6 131.06,21.67 131.05,21.7 131.04,21.73 131.01,21.76 130.98,21.77 130.95,21.78 130.92,21.79 130.88,21.78 130.85,21.77 130.82,21.76 130.8,21.73 130.78,21.7 130.77,21.67 130.76,21.6 130.75,21.57 130.74,21.54 130.71,21.52 130.68,21.5 130.65,21.49 130.62,21.49 130.58,21.49 130.55,21.5 130.52,21.52 130.5,21.54 130.48,21.57 130.47,21.6 130.46,21.67 130.45,21.7 130.44,21.73 130.41,21.76 130.38,21.77 130.35,21.78 130.32,21.79 130.28,21.78 130.25,21.77 130.22,21.76 130.2,21.73 130.18,21.7 130.17,21.67 130.16,21.6 130.15,21.57 130.14,21.54 130.11,21.52 130.08,21.5 130.05,21.49 130.02,21.49 124.31,21.49 122.34,23.45 115.71,23.45 113.25,25.92 113.25,38.35 111.63,39.97 109.79,39.97 109.35,40.41 109.35,41.36 v1(109.55,41.55)
  Bottom w0.21: 132.77,21.42 133.5,21.42 133.59,21.34 134.39,21.34 v1(134.54,21.48)
